# Altium PCB AMDC_uAMDC_Overlay.PcbDoc (part 3 of 6)
Units mil, origin at the board's own origin, x right, y up, seen from the top; angles counter-clockwise.
Board outline 4335 x 5120 mil, 6 copper layers (Top Layer, Int1 (GND), Int2 (Sign), Int3 (Sign), Int4 (PWR), Bottom Layer), stack 55.468 mil thick; 396 components, 471 nets, 2094 pads, 683 vias.
Unrouted connection lines stored in the file: 618.
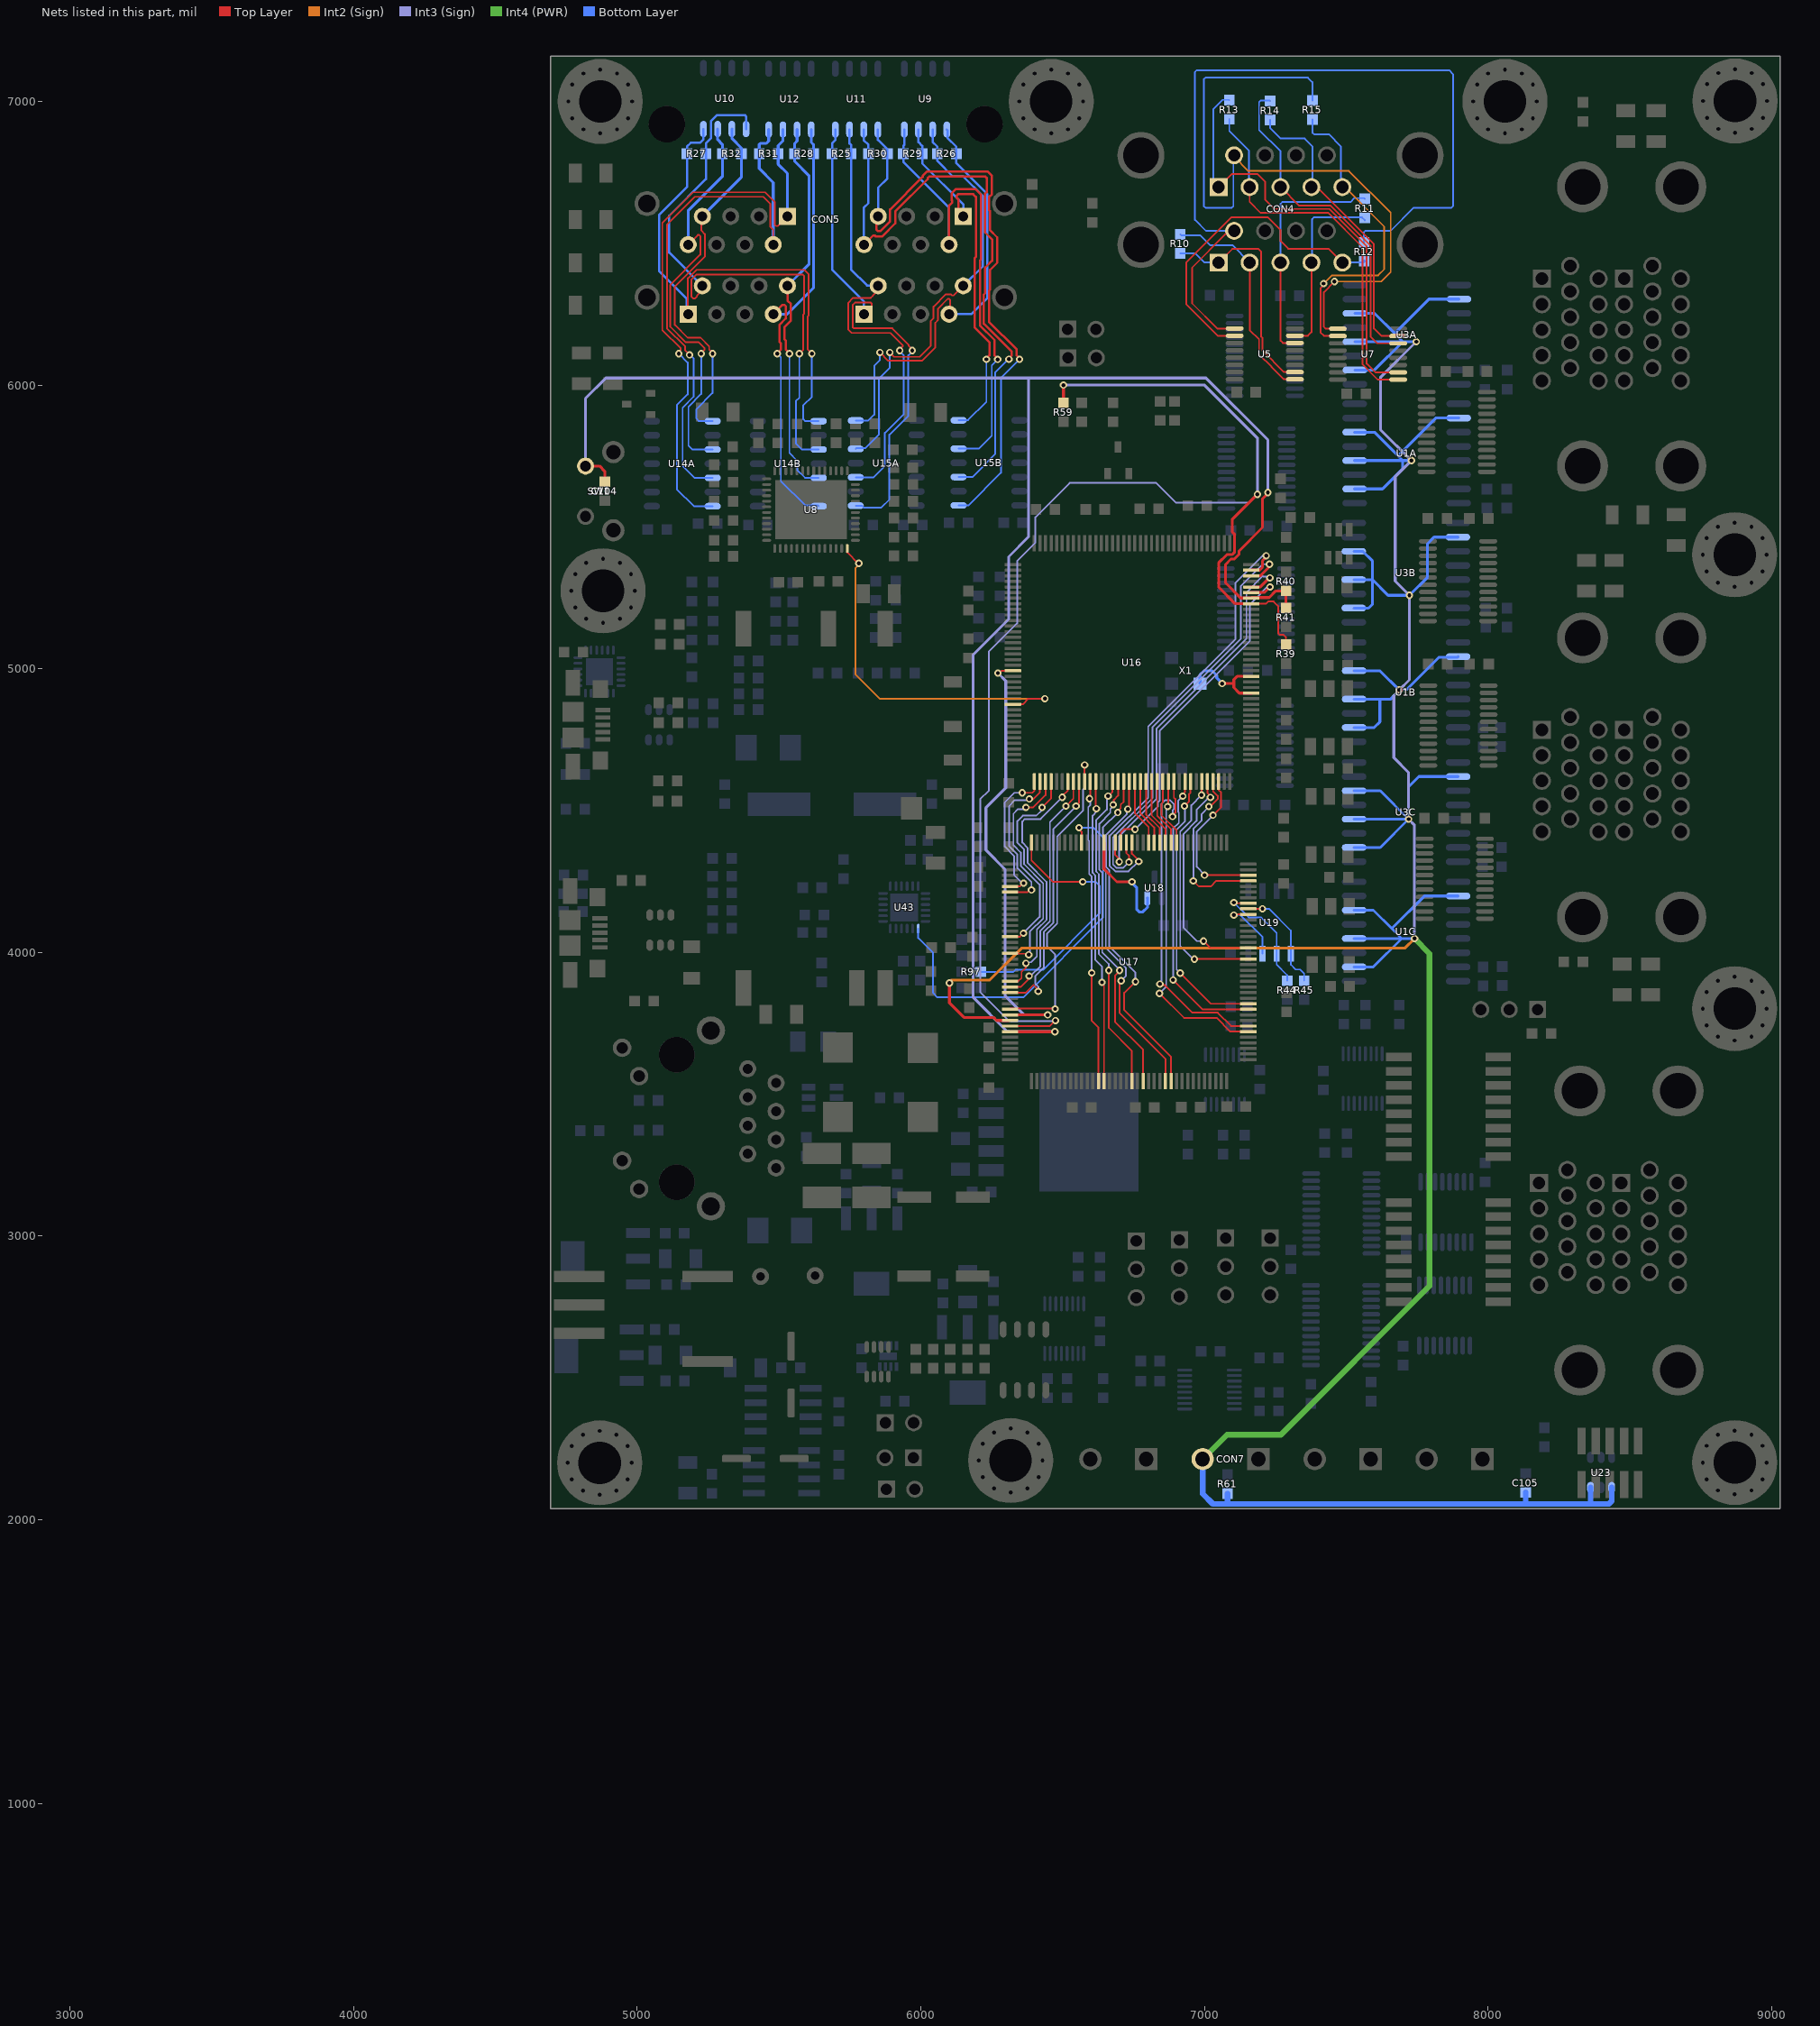
[diagram p6: the nets of this part, all layers, seen from the top]

## Via types
v1: diameter 26, hole 14, Top Layer to Bottom Layer, tented both sides, 326 vias
v2: diameter 26, hole 14, Top Layer to Bottom Layer, 288 vias
v3: diameter 24, hole 14, Top Layer to Bottom Layer, 57 vias
v4: diameter 24, hole 14, Top Layer to Bottom Layer, tented both sides, 5 vias
v5: diameter 19.68, hole 7.87, Top Layer to Bottom Layer, 4 vias
v6: diameter 60, hole 20, Top Layer to Bottom Layer, tented both sides, 3 vias

## Nets (pads, with @x,y where several pads share a name; then routed paths per layer and width w, separated by ;. In a path a pad name is that pad's centre, name@x,y a point inside that pad or via, vN(x,y) a via of type N, cw(c..) or ccw(c..) an arc to the next point about the centre after c; other vN are vias at no path point) (continued)
ADC_SDO8: U8.40 U16.134 | length 1292.5
  Top Layer w6: U8.40@5740.95,5424.19 5741.69,5423.45 5741.69,5409.29 5779.11,5371.87 v1(5782,5371.87) ; U16.134@6325,4874.94 6359.94,4874.94 6379.63,4894.63 v2(6437.76,4894.63)
  Int2 (Sign) w6: v1(5782,5371.87) 5782,5366.46 5769.3,5353.76 5769.3,4980.7 5855.37,4894.63 v2(6437.76,4894.63)
ANLG_N1: CON5.2A R25.1 U11.3 U15A.10 | length 1647
  Top Layer w6: CON5.2A@5850,6350 5850,6335.39 5831.18,6316.57 5831.18,6314.87 5823.49,6307.17 5761.82,6307.17 5744,6289.36 5744,6196.89 5756.89,6184 5893.11,6184 5937.17,6139.94 5937.17,6138.38 5926,6127.21 v1(5926,6121.8)
  Bottom Layer w6: U15A.10@5770.72,5675 5833.53,5675 5873.29,5714.76 5873.29,5831.8 5940,5898.51 5940,6104.69 5926,6118.69 v1(5926,6121.8)
  Bottom Layer w8: U11.3@5749,6900.72 5749,6852.19 5754.46,6846.72 R25.1@5754.46,6816 5754.46,6407.54 5811,6351 5849,6351 CON5.2A@5850,6350
ANLG_N2: CON5.8A R26.1 U9.2 U15A.12 | length 1529
  Top Layer w6: v1(5891,6115) 5891.14,6115 5906.34,6099.8 5995.69,6099.8 6035.31,6139.43 6035.31,6226.31 6045,6236 6045,6276.4 6088.5,6319.9 6106.72,6319.9 6110.83,6315.8 6115.8,6315.8 CON5.8A@6150,6350
  Bottom Layer w6: U15A.12@5770.72,5775 5774.09,5778.37 5805.37,5778.37 5852,5825 5852,6022 5891,6061 v1(5891,6115)
  Bottom Layer w8: U9.2@6042,6900.72 6042,6856.72 6058.54,6840.19 R26.1@6058.54,6816 6058.54,6790.46 6114,6735 6150.37,6735 6219,6666.37 6219,6419 CON5.8A@6150,6350
ANLG_N3: CON5.2B R27.1 U10.1 U14B.10 | length 2097.8
  Top Layer w6: CON5.2B@5230,6350 5230,6335.39 5211.18,6316.57 5211.18,6312.87 5203.49,6305.17 5198.51,6305.17 5191,6312.69 5191,6371.43 5209.88,6390.31 5215.54,6390.31 5583.37,6390.31 5588.5,6385.19 5588.5,6251.28 5586,6248.78 5586,6125 v2(5572,6111)
  Bottom Layer w6: v2(5572,6111) 5572,5955.79 5560,5943.79 5560,5794 5581,5773 U14B.10@5640.28,5773
  Bottom Layer w8: CON5.2B@5230,6350 5113,6467 5113,6597 5242.46,6726.46 R27.1@5242.46,6816 5242.46,6852.19 5261,6870.72 5261,6931 5281,6951 5380.49,6951 5384,6947.49 U10.1@5384,6902.72
ANLG_N4: CON5.8B R28.1 U12.2 U14B.12 | length 1376.7
  Top Layer w8: CON5.8B@5530,6350 5530,6298.08 5542.31,6285.77 5542.31,6227.46 5519.73,6204.88 5519.73,6160.93 5524.5,6156.16 5524.5,6124.69 5537,6112.19 v2(5537,6111)
  Bottom Layer w6: v2(5537,6111) 5537,5760.86 5564.5,5733.36 5564.5,5700.5 5592,5673 U14B.12@5640.28,5673
  Bottom Layer w10: CON5.8B@5530,6350 5606.46,6426.46 5606.46,6737.54 5555.54,6788.46 R28.1@5555.54,6816 5555.54,6852.19 5564,6860.65 U12.2@5564,6900.72
ANLG_N5: CON5.2C R29.1 U9.4 U15B.12 | length 1799.9
  Top Layer w8: CON5.2C@6100,6495 6100,6633 6110.96,6643.96 6110.96,6650.59 6109,6652.54 6109,6675.77 6124.23,6691 6192.46,6691 6212.71,6670.75 6212.71,6443.15 6208.71,6439.15 6208.71,6210.09 6260.3,6158.5 6260.3,6104.41 6271.16,6093.55 v1(6271.16,6090.73)
  Bottom Layer w6: U15B.12@6133.43,5776 6205.24,5776 6250.43,5821.19 6250.43,6070 v1(6271.16,6090.73)
  Bottom Layer w8: U9.4@5942,6900.72 5942,6846.72 5938.54,6843.26 R29.1@5938.54,6816 5938.54,6786.46 6100,6625 CON5.2C@6100,6495
ANLG_N6: CON5.8C R30.1 U11.2 U15B.10 | length 2207.9
  Top Layer w8: CON5.8C@5800,6495 5832.12,6527.12 5838.75,6527.12 5841.16,6524.71 5864.57,6524.71 5910,6570.15 5910,6611.57 6025,6726.57 6025,6730.31 6029.69,6735 6228.05,6735 6232.74,6730.31 6232.74,6680.2 6226.71,6674.17 6226.71,6538.29 6251.69,6513.31 6251.69,6438.8 6226.71,6413.82 6226.71,6323.59 6222.71,6319.59 6222.71,6215.89 6320.72,6117.88 6320.72,6104.92 6311.19,6095.4 v1(6311.19,6091.24)
  Bottom Layer w6: U15B.10@6133.43,5676 6181.9,5676 6262.43,5756.54 6262.43,6043.59 6309.85,6091 6310.96,6091 v1(6311.19,6091.24)
  Bottom Layer w8: U11.2@5799,6900.72 5799,6863.26 5815.54,6846.72 R30.1@5815.54,6816 5815.54,6641.54 5800,6626 CON5.8C@5800,6495
ANLG_N7: CON5.2D R31.1 U12.4 U14A.12 | length 2046.6
  Top Layer w6: v2(5184.63,6106.63) 5184.63,6107.06 5169.29,6122.4 5169.29,6136.11 5105,6200.4 5105,6565 5203.69,6663.69 5444.81,6663.69 5469,6639.5 5469,6559.33 5480,6548.33 CON5.2D@5480,6495
  Bottom Layer w6: v2(5184.63,6106.63) 5186.96,6106.63 5199,6094.59 5199,5959.01 5160.5,5920.51 5160.5,5714.89 5203,5672.39 5265.67,5672.39 U14A.12@5266.28,5673
  Bottom Layer w10: U12.4@5464,6900.72 5464,6860.65 5455.54,6852.19 5434.05,6852.19 5430.54,6848.67 R31.1@5430.54,6816 5430.54,6763.46 5480,6714 CON5.2D@5480,6495
ANLG_N8: CON5.8D R32.1 U10.3 U14A.10 | length 1496.8
  Top Layer w6: CON5.8D@5180,6495 5214.2,6529.2 5219.17,6529.2 5222.69,6525.69 5222.69,6459.69 5117,6354 5117,6205.37 5171.13,6151.24 5216.87,6151.24 5238,6130.11 5238,6124.51 5226,6112.51 v2(5226,6111)
  Bottom Layer w6: v2(5226,6111) 5226,5969.04 5181,5924.04 5181,5787.06 5195.06,5773 U14A.10@5266.28,5773
  Bottom Layer w10: CON5.8D@5180,6495 5180,6615 5300.54,6735.54 R32.1@5300.54,6816 5300.54,6848.67 5284,6865.21 U10.3@5284,6902.72
ANLG_P1: CON5.1A R25.2 U11.4 U15A.8 | length 1842
  Top Layer w6: CON5.1A@5800,6250 5827,6277 5827,6287.66 5823.49,6291.17 5768.44,6291.17 5760,6282.73 5760,6203.51 5763.51,6200 5899.74,6200 5957.33,6142.41 5957.33,6139.88 5970,6127.21 v1(5970,6121.8)
  Bottom Layer w6: U15A.8@5770.72,5575 5792.22,5575 5798.69,5568.53 5861.11,5568.53 5889.29,5596.7 5889.29,5825.17 5956,5891.88 5956,6104.69 5970,6118.69 v1(5970,6121.8)
  Bottom Layer w8: U11.4@5699,6900.72 5699,6863.65 5687.54,6852.19 R25.2@5687.54,6816 5687.54,6407.46 5800,6295 CON5.1A@5800,6250
ANLG_P2: CON5.7A R26.2 U9.1 U15A.14 | length 1590.6
  Top Layer w6: v1(5856,6115) 5885,6086 6004.51,6086 6051.31,6132.8 6051.31,6219.69 6061,6229.37 6061,6269.77 6095.13,6303.9 6100.1,6303.9 6103.61,6300.39 6103.61,6253.61 CON5.7A@6100,6250
  Bottom Layer w6: U15A.14@5770.72,5875 5815,5875 5836,5896 5836,6068.49 5856,6088.49 v1(5856,6115)
  Bottom Layer w8: U9.1@6092,6900.72 6095.37,6897.34 6095.37,6870.28 6125.46,6840.19 R26.2@6125.46,6816 6125.46,6782.54 6235,6673 6235,6307 6178,6250 CON5.7A@6100,6250
ANLG_P3: CON5.1B R27.2 U10.4 U14B.8 | length 1937.7
  Top Layer w6: CON5.1B@5180,6250 5179.24,6250.76 5179.24,6285.49 5179,6285.73 5179,6376.4 5208.91,6406.31 5590,6406.31 5604.5,6391.81 5604.5,6244.66 5602,6242.16 5602,6125 v2(5616,6111)
  Bottom Layer w6: v2(5616,6111) 5616,5959 5586,5929 5586,5880 5593,5873 U14B.8@5640.28,5873
  Bottom Layer w8: CON5.1B@5180,6250 5175,6255 5175,6304 5078,6401 5078,6601 5175.54,6698.54 R27.2@5175.54,6816 5175.54,6840.54 5189,6854 5221.65,6854 5234,6866.35 U10.4@5234,6902.72
ANLG_P4: CON5.7B R28.2 U12.1 U14B.14 | length 1610.6
  Top Layer w8: CON5.7B@5480,6250 5513,6283 5519.63,6283 5524.31,6278.31 5524.31,6234.92 5501.73,6212.33 5501.73,6152.34 5506.5,6147.57 5506.5,6124.69 5494,6112.19 v2(5494,6111)
  Bottom Layer w6: v2(5494,6111) 5494,6110.86 5507,6097.86 5507,5661.37 5592,5576.37 5636.91,5576.37 U14B.14@5640.28,5573
  Bottom Layer w10: CON5.7B@5480,6250 5529,6250 5622.46,6343.46 R28.2@5622.46,6816 5622.46,6846.72 5614,6855.19 U12.1@5614,6900.72
ANLG_P5: CON5.1C R29.2 U9.3 U15B.14 | length 1402.2
  Top Layer w8: CON5.1C@6150,6595 6132.27,6612.73 6132.27,6654.73 6127,6660 6127,6668.31 6131.69,6673 6185,6673 6194.71,6663.29 6194.71,6451.74 6190.71,6447.74 6190.71,6202.63 6242.3,6151.05 6242.3,6104.69 6231.43,6093.82 v1(6231.43,6091)
  Bottom Layer w6: U15B.14@6133.43,5876 6134.23,5876.8 6166.8,5876.8 6231.43,5941.43 v1(6231.43,6091)
  Bottom Layer w8: U9.3@5992,6900.72 5992,6856.72 6005.46,6843.26 R29.2@6005.46,6816 6005.46,6781.54 6150,6637 CON5.1C@6150,6595
ANLG_P6: CON5.7C R30.2 U11.1 U15B.8 | length 2255.4
  Top Layer w8: CON5.7C@5850,6595 5843.93,6588.93 5843.93,6547.4 5848.62,6542.71 5857.11,6542.71 5892,6577.6 5892,6619.02 6007,6734.02 6007,6737.77 6022.23,6753 6235.51,6753 6250.74,6737.77 6250.74,6672.74 6244.71,6666.71 6244.71,6666.49 6240.71,6662.49 6240.71,6617.51 6244.71,6613.51 6244.71,6545.75 6269.69,6520.77 6269.69,6431.35 6244.71,6406.37 6244.71,6336.49 6240.71,6332.49 6240.71,6223.35 6338.72,6125.33 6338.72,6104.5 6348.25,6094.97 v1(6348.25,6090.81)
  Bottom Layer w6: U15B.8@6133.43,5576 6167.93,5576 6282.93,5691 6282.93,6025.5 v1(6348.25,6090.81)
  Bottom Layer w8: U11.1@5849,6900.72 5849,6864.6 5882.46,6831.13 R30.2@5882.46,6816 5882.46,6728.46 5850,6696 CON5.7C@5850,6595
ANLG_P7: CON5.1D R31.2 U12.3 U14A.14 | length 2070.4
  Top Layer w6: v2(5147,6111) 5147,6116.41 5153.29,6122.7 5153.29,6129.49 5089,6193.77 5089,6571.63 5197.06,6679.69 5451.44,6679.69 5485,6646.13 5485,6565.96 5490.49,6560.46 5495.46,6560.46 CON5.1D@5530,6595
  Bottom Layer w6: v2(5147,6111) 5178.5,6079.5 5178.5,5967.5 5140,5929 5140,5633 5200,5573 U14A.14@5266.28,5573
  Bottom Layer w10: U12.3@5514,6900.72 5514,6860.65 5497.46,6844.12 R31.2@5497.46,6816 5497.46,6778.54 5530,6746 CON5.1D@5530,6595
ANLG_P8: CON5.7D R32.2 U10.2 U14A.8 | length 1308.5
  Top Layer w6: CON5.7D@5230,6595 5226.39,6591.39 5226.39,6544.61 5238.69,6532.31 5238.69,6453.06 5133,6347.37 5133,6212 5177.76,6167.24 5223.5,6167.24 5254,6136.74 5254,6124.51 5266,6112.51 v2(5266,6111)
  Bottom Layer w6: v2(5266,6111) 5266,5972 5209,5915 5209,5881.79 5217.79,5873 U14A.8@5266.28,5873
  Bottom Layer w10: CON5.7D@5230,6595 5367.46,6732.46 R32.2@5367.46,6816 5367.46,6836.11 5334.63,6868.94 5334.63,6902.08 U10.2@5334,6902.72
CDONE: R39.2 R59.2 U16.65 U17.66 | length 4928.1
  Top Layer w6: U17.66@6314.71,3740.54 6455.54,3740.54 v2(6475,3760) ; U16.65@7165.16,5229.28 7216.96,5229.28 7224.69,5237 7244.11,5237 7260,5221.11 7260,5125.41 7265.57,5119.83 7279.33,5119.83 7288,5111.17 R39.2@7288,5085.57
  Top Layer w10: R59.2@6503.25,5937.46 v1(6503.25,6000) ; U16.65@7165.16,5229.28 7109.25,5229.28 7050.2,5288.33 7050.2,5372.94 7079.98,5402.72 7098.83,5402.72 7106.08,5409.98 7106.08,5475.35 7097.97,5483.46 7097.97,5525.97 v1(7187,5615)
  Int3 (Sign) w6: v2(6475,3760) 6472.91,3757.91 6312.09,3757.91 6210,3860 6210,4540 6240,4570 6240,5060 6340,5160 6340,5380 6404.25,5444.25 6404.25,5534.25 6525,5655 6830,5655 6900,5585 7157,5585 v1(7187,5615)
  Int3 (Sign) w10: v1(6503.25,6000) 7001,6000 7187,5814 v1(7187,5615)
CONFIG_SPI5_MISO: U16.67 U17.20 | length 1223.7
  Top Layer w6: U17.20@6705.26,4387 6705.26,4423.59 6716.61,4434.94 6754.78,4434.94 v2(6755.36,4434.36)
  Top Layer w10: U16.67@7165.16,5268.65 7165.67,5269.16 7212.16,5269.16 v1(7231.52,5288.52)
  Int3 (Sign) w6: v2(6755.36,4434.36) 6836.72,4515.72 6836.72,4529.86 6843.13,4536.27 6843.13,4781.72 7160.54,5099.13 7160.54,5227.66 7174.93,5242.06 7221.53,5288.65 7231.38,5288.65 v1(7231.52,5288.52)
CONFIG_SPI5_MOSI: U16.68 U17.21 | length 1395.9
  Top Layer w6: U17.21@6685.57,4387 6685.57,4344.15 6700,4329.73 v2(6700,4320)
  Top Layer w10: U16.68@7165.16,5288.33 7165.67,5288.84 7197.9,5288.84 7229.57,5320.51 v1(7230.85,5320.51)
  Int3 (Sign) w6: v2(6700,4320) 6700,4410.11 6831.13,4541.24 6831.13,4788.65 7148.54,5106.06 7148.54,5269.16 7206.37,5326.99 7209.03,5324.34 7227.02,5324.34 v1(7230.85,5320.51)
CONFIG_SPI5_NSS: U16.71 U17.18 | length 1623.9
  Top Layer w6: U17.18@6744.63,4387 6744.63,4348 6768.78,4323.85 v1(6768.78,4320.42)
  Top Layer w10: U16.71@7165.16,5347.39 7165.67,5347.9 7195.18,5347.9 7205.09,5357.81 7205.09,5381.05 7218.03,5393.98 v1(7218.03,5398.31)
  Int3 (Sign) w6: v1(6768.78,4320.42) 6767.04,4320.42 6732.62,4286 6685.92,4286 6666,4305.92 6666,4410.06 6802,4546.06 6802,4795.94 7109.17,5103.1 7109.17,5302.11 7209.54,5402.49 7213.72,5398.31 v1(7218.03,5398.31)
CONFIG_SPI5_SCK: U16.70 U17.19 | length 1528.9
  Top Layer w6: U17.19@6724.94,4387 6724.94,4350.72 6734.08,4341.58 v2(6734.08,4318.57)
  Top Layer w10: U16.70@7165.16,5327.7 7165.67,5328.21 7198.12,5328.21 7226.62,5356.71 7226.62,5365.45 v1(7229.69,5368.51)
  Int3 (Sign) w6: v2(6734.08,4318.57) 6713.51,4298 6690.89,4298 6678,4310.89 6678,4405.09 6817.54,4544.62 6817.54,4794.5 7128.34,5105.3 7128.34,5291.18 7205.67,5368.51 v1(7229.69,5368.51)
CRESET_B: C104.2 R40.2 R41.1 SW1.1 U16.66 U17.67 | length 6516.9
  Top Layer w10: SW1.1@4818,5714.58 4867.42,5714.58 4886,5696 C104.2@4886,5659.46 ; U17.67@6314.71,3720.86 v2(6473.09,3720.86) ; v1(7224.03,5621.4) 7224.03,5618.09 7205,5599.06 7205,5498.06 7122.08,5415.13 7122.08,5403.35 7105.46,5386.72 7093.67,5386.72 7074.49,5367.54 7074.49,5303.32 7128.34,5249.47 7164.65,5249.47 U16.66@7165.16,5248.96 7167.2,5251 7228.66,5251 7252.21,5274.55 R40.2@7288,5274.55 R41.1@7288,5214.46
  Int3 (Sign) w10: SW1.1@4818,5714.58 4818,5953 4890,6025 6380,6025 ; v2(6473.09,3720.86) 6305.28,3720.86 6185,3841.14 6185,5050 6310,5175 6310,5395 6380,5465 6380,6025 ; v1(7224.03,5621.4) 7224.03,5806.97 7006,6025 6380,6025
DRIVE_EN: C105.2 CON7.2 R61.2 U1A.2 U1A.4 U1A.6 U1A.10 U1B.2 U1B.4 U1B.6 U1B.10 U1C.2 U1C.4 U1C.6 U1C.10 U3A.2 U3A.4 U3A.6 U3A.10 U3B.2 U3B.4 U3B.6 U3B.10 U3C.2 U3C.4 U3C.6 U3C.10 U17.65 U23.1 U23.3 | length 13723.2
  Top Layer w10: v1(6101.24,3892.46) 6101.01,3892.23 6101.01,3822.53 6152.55,3771 6256.6,3771 6267.37,3760.23 U17.65@6314.71,3760.23
  Int4 (PWR) w20: CON7.2@6994,2214 7080,2300 7270,2300 7794,2824 7794,3996 v2(7741,4049)
  Int2 (Sign) w10: v1(6101.24,3892.46) 6101.24,3896.68 6107.1,3902.54 6243.14,3902.54 6356.57,4015.96 7707.96,4015.96 v2(7741,4049)
  Int3 (Sign) w10: v2(7741,4049) 7741,4449 v2(7720,4470) 7720,4634.66 7668,4686.66 7668,4904.4 7687,4923.4 v2(7687,4925) 7723,4961 v2(7723,5259) 7673,5309 7673,5677 v1(7730,5734) 7621,5843 7621,6027 v1(7747,6153)
  Bottom Layer w10: U3B.2@7527,5214 7527.31,5213.69 7578.75,5213.69 7593,5227.94 7593,5314 ; U3B.4@7527,5314 7593,5314 ; U3B.6@7527,5414 7558.5,5414 7593,5379.5 7593,5314 ; U3C.2@7528,4370 7620,4370 v2(7720,4470) ; U3C.4@7528,4470 v2(7720,4470) ; U3C.6@7528,4570 7620,4570 v2(7720,4470) ; U1B.2@7528,4793 7599.13,4793 7619,4812.87 7619,4893 ; U1B.4@7528,4893 7619,4893 ; U1B.6@7528,4993 7619,4993 v2(7687,4925) ; U1C.2@7528.07,3949 7596,3949 7696,4049 ; U1C.4@7528.07,4049 7696,4049 ; U1C.6@7528.07,4149 7596,4149 7661,4084 ; U1A.2@7530,5634 7628,5634 7699.25,5705.25 7699.25,5734 ; U1A.4@7530,5734 7699.25,5734 ; U1A.6@7530,5834 7600,5834 7682,5752 ; U3A.2@7531,6053 7600,6053 7700,6153 ; U3A.4@7531,6153 7700,6153 ; U3A.6@7531,6253 7600,6253 7671,6182 ; v1(7730,5734) 7699.25,5734 ; v2(7741,4049) 7696,4049 ; v1(7747,6153) 7700,6153 ; U3B.10@7893.93,5464 7810,5464 7787,5441 7787,5323 v2(7723,5259) 7648,5259 7593,5314 ; U3C.10@7894.93,4620 7756.3,4620 7720,4583.7 v2(7720,4470) ; U1B.10@7894.93,5043 7892.93,5041 7827.9,5041 7714.96,4928.06 7690.06,4928.06 v2(7687,4925) ; U1C.10@7895,4199 7776,4199 7661,4084 ; U1A.10@7896.93,5884 7816,5884 7684,5752 7682,5752 ; U3A.10@7897.93,6303 7792,6303 7671,6182 ; 7619,4893 7657,4893 7687,4923 v2(7687,4925) ; 7661,4084 7696,4049 ; 7671,6182 7700,6153 ; 7682,5752 7699.25,5734.75 7699.25,5734
  Bottom Layer w20: CON7.2@6994,2214 6994,2092 7030,2056 7082,2056 ; R61.2@7082,2092.54 7082,2056 ; C105.2@8133,2096.54 8133,2056 ; U23.3@8361.6,2113.85 8361.6,2056 ; U23.1@8436.4,2113.85 8436.4,2066.4 8426,2056 8361.6,2056 ; 7082,2056 8133,2056 ; 8133,2056 8361.6,2056
DSP_CLK: U17.23 U18.2 | length 400.2
  Top Layer w10: U17.23@6646.2,4387 6646.2,4294.53 6691.74,4248.99 v2(6744.63,4248.99)
  Bottom Layer w10: v2@6747.46,4246.16 v2(6744.63,4248.99) 6744.63,4244.66 6761.83,4227.46 6761.83,4150.97 6769.86,4142.94 6782.94,4142.94 6800,4160 6800,4191.08 U18.2@6798.84,4192.24
EEPROM_SCL: R45.1 U17.136 U19.5 | length 387.4
  Top Layer w6: U17.136@7154.87,4153.93 7154.9,4153.96 v2(7205,4154) v2(7205,4154)
  Bottom Layer w6: v2(7205,4154) 7228.14,4154 7305,4077.14 U19.5@7305,3996 7305,3957.08 7322.08,3940 7337.94,3940 7352,3925.94 R45.1@7352,3900.46
EEPROM_SDA: R44.1 U17.137 U19.6 | length 430.3
  Top Layer w6: v2(7104.08,4175.93) 7106.39,4173.61 U17.137@7154.87,4173.61
  Bottom Layer w6: v2(7104.08,4175.93) 7156.15,4123.86 7199.26,4123.86 7255,4068.11 U19.6@7255,3996 7255,3957.08 7292,3920.08 R44.1@7292,3900.46
EEPROM_WC_N: U17.135 U19.7 | length 243.8
  Top Layer w6: v2(7104.08,4131.93) 7106.39,4134.24 U17.135@7154.87,4134.24
  Bottom Layer w6: v2(7104.08,4131.93) 7105.07,4132.92 7126.08,4132.92 7205,4054 U19.7@7205,3996
ENC_1A: CON4.1T R10.2 U5.2 | length 819.6
  Top Layer w6: CON4.1T@7050.47,6432.05 7098.43,6480 7191.49,6480 7200.02,6471.46 7200.02,6170.86 7205,6165.89 7205,6121.32 7280.3,6046.02 U5.2@7319.3,6046.02
  Bottom Layer w6: R10.2@6915,6464.54 6967.46,6464.54 6999.95,6432.05 CON4.1T@7050.47,6432.05
ENC_1A\: CON4.2T R10.1 U5.1 | length 786.3
  Top Layer w6: CON4.2T@7159.53,6432.05 7160,6431.57 7160,6193.92 7193,6160.92 7193,6108.12 7237,6064.12 7237,6063.73 7280.3,6020.43 U5.1@7319.3,6020.43
  Bottom Layer w6: R10.1@6915,6531.46 6918.46,6528 6985,6528 7019.95,6493.06 7098.52,6493.06 CON4.2T@7159.53,6432.05
ENC_1B: CON4.3T R11.2 U5.6 | length 843.1
  Top Layer w6: CON4.3T@7268.58,6432.05 7268.58,6156.62 7276.82,6148.39 U5.6@7319.3,6148.39
  Bottom Layer w6: CON4.3T@7268.58,6432.05 7269,6432.46 7269,6639.14 7274.86,6645 7515,6645 7529,6659 7563.46,6659 R11.2@7566,6656.46
ENC_1B\: CON4.4T R11.1 U5.7 | length 656.3
  Top Layer w6: U5.7@7319.3,6173.98 7365.35,6173.98 7378,6186.63 7378,6431.69 CON4.4T@7377.64,6432.05
  Bottom Layer w6: CON4.4T@7377.64,6432.05 7380,6434.41 7380,6585.14 7385.86,6591 7555.54,6591 R11.1@7566,6580.54
ENC_1Z: CON4.5T R12.2 U5.10 | length 1163
  Top Layer w6: U5.10@7106.7,6173.98 7047.02,6173.98 6936,6285 6936,6432.13 7094.87,6591 7224.18,6591 7268.58,6546.6 7268.58,6507.42 7295.52,6480.48 7438.26,6480.48 CON4.5T@7486.69,6432.05
  Bottom Layer w6: CON4.5T@7486.69,6432.05 R12.2@7558.98,6432.05
  Bottom Layer w10: CON4.5T@7486.69,6432.05 CON4.5T@7495,6440.35 ; R12.2@7558.98,6432.05 R12.2@7563.46,6436.54 ; R12.2@7562,6439 R12.2@7564.46,6436.54
ENC_1Z\: CON4.6T R12.1 U5.9 | length 2962.1
  Top Layer w6: CON4.6T@7105,6543.86 7094.1,6532.95 7075.66,6532.95 6957,6414.29 6957,6288 7045.43,6199.57 U5.9@7106.7,6199.57
  Bottom Layer w6: CON4.6T@7105,6543.86 7005.28,6543.86 6967,6582.14 6967,7104.14 6972.86,7110 7863,7110 7877,7096 7877,6630.86 7871.14,6625 7738,6625 7656.86,6543.86 7567.86,6543.86 7562,6538 7562,6504.93 R12.1@7563.46,6503.46
ENC_2A: CON4.1B R13.2 U7.2 | length 1573.5
  Top Layer w6: CON4.1B@7050.47,6698.19 7096.28,6744 7188,6744 7214.06,6717.94 7214.06,6654.17 7247.47,6620.76 7440.3,6620.76 7572.5,6488.55 7572.5,6075.49 7602.97,6045.02 U7.2@7683.3,6045.02
  Bottom Layer w6: CON4.1B@7050.47,6698.19 7032,6716.66 7032,6973.74 7063.81,7005.56 7086.91,7005.56 R13.2@7088,7004.46
ENC_2A\: CON4.2B R13.1 U7.1 | length 1346.4
  Top Layer w6: CON4.2B@7159.53,6698.19 7159.53,6646.02 7198.54,6607 7437.09,6607 7557.46,6486.62 7557.46,6073.56 7611.59,6019.43 U7.1@7683.3,6019.43
  Bottom Layer w6: R13.1@7088,6937.54 7088,6896.61 7157,6827.61 7157,6700.72 CON4.2B@7159.53,6698.19
ENC_2B: CON4.3B R14.2 U7.6 | length 1203.7
  Top Layer w6: CON4.3B@7268.58,6698.19 7334.01,6632.76 7445.27,6632.76 7586,6492.03 7586,6171.39 7610,6147.39 U7.6@7683.3,6147.39
  Bottom Layer w6: R14.2@7232,7001.46 7230,7003.46 7198.86,7003.46 7193,6997.61 7193,6899.23 7268.58,6823.65 CON4.3B@7268.58,6698.19
ENC_2B\: CON4.4B R14.1 U7.7 | length 1046.9
  Top Layer w6: CON4.4B@7377.64,6698.19 7388.54,6687.28 7407.72,6687.28 7598,6497 7598,6199.5 7624.52,6172.98 U7.7@7683.3,6172.98
  Bottom Layer w6: R14.1@7232,6934.54 7232,6905.72 7268.58,6869.14 7353.86,6869.14 7381,6842 7381,6701.55 CON4.4B@7377.64,6698.19
ENC_2Z: CON4.5B R15.2 U7.10 | length 1145.8
  Top Layer w6: v1(7420.69,6357.8) 7420.69,6352.39 7409.5,6341.2 7409.5,6185.98 7421.65,6173.83 7469.85,6173.83 U7.10@7470.7,6172.98
  Int2 (Sign) w6: v1(7420.69,6357.8) 7449.89,6387 7613,6387 7634,6408 7634,6559 7494.81,6698.19 CON4.5B@7486.69,6698.19
  Bottom Layer w6: R15.2@7381,6936.54 7381,6889.86 7386.86,6884 7439,6884 7481,6842 7481,6703.88 CON4.5B@7486.69,6698.19
ENC_2Z\: CON4.6B R15.1 U7.9 | length 2489.4
  Top Layer w6: v1(7459,6365) 7421.5,6327.5 7421.5,6205.37 7428.3,6198.57 U7.9@7470.7,6198.57
  Top Layer w10: CON4.6B@7099,6804 CON4.6B@7105,6810
  Int2 (Sign) w6: CON4.6B@7105,6810 7105,6805 7155,6755 7510,6755 7656.86,6608.14 7656.86,6397.71 7624.15,6365 v1(7459,6365)
  Bottom Layer w6: CON4.6B@7105,6810 7102.57,6807.57 7102.57,6630.86 7096.72,6625 7003.86,6625 6998,6630.86 6998,7078.14 7003.86,7084 7365,7084 7381,7068 R15.1@7381,7003.46
ETH_MDC: U17.27 U43.13 | length 1408.6
  Top Layer w6: v2(6558.07,4439.71) 6558.07,4434.29 6567.43,4424.94 6567.43,4387.04 U17.27@6567.46,4387
  Bottom Layer w6: U43.13@5991.21,4084.2 5991.21,4050.67 6043.51,3998.37 6043.51,3857.52 6059.03,3842 6361.14,3842 6643,4123.86 6643,4406 6609.29,4439.71 v2(6558.07,4439.71)
ETH_MDIO: R97.1 U17.36 | length 942.8
  Top Layer w6: U17.36@6390.3,4387 6390.3,4324.66 6465.97,4248.99 v2(6571,4248.99)
  Bottom Layer w6: R97.1@6211.46,3932 6212.46,3931 6326,3931 6334,3939 6432.03,3939 6631,4137.97 6631,4234.93 6616.94,4248.99 v2(6571,4248.99)
EXTRA_SPI6_MISO: U16.2 U17.42 | length 575.3
  Top Layer w6: U17.42@6314.71,4212.98 6377.87,4212.98 6384.89,4220 v2(6390.3,4220) ; v2(6383.04,4541) 6384.87,4539.17 6395.16,4539.17 6420.28,4564.29 U16.2@6420.28,4602.5
  Int3 (Sign) w6: v2(6383.04,4541) 6378.8,4536.76 6332.22,4536.76 6311.99,4516.52 6311.99,4374.17 6340.67,4345.49 6340.67,4297.33 6390.3,4247.7 v2(6390.3,4220)
EXTRA_SPI6_MOSI: U16.32 U17.129 | length 819.6
  Top Layer w6: v1(6997,4039.96) 7020.83,4016.13 U17.129@7154.87,4016.13 ; U16.32@7010.83,4602.5 7010.83,4562.6 7021.51,4551.92 v2(7021.51,4546.51)
  Int3 (Sign) w6: v1(6997,4039.96) 6973.17,4039.96 6927,4086.13 6927,4418.47 6972.46,4463.92 6972.46,4502.31 7016.65,4546.51 v2(7021.51,4546.51)
EXTRA_SPI6_NSS: U16.16 U17.93 | length 1160.2
  Top Layer w6: v2(6678.5,4520.92) 6681,4523.42 6681,4538 6695.87,4552.87 U16.16@6695.87,4602.5 ; v2(6700.99,3936.76) 6700.99,3933.99 6684.78,3917.78 6684.78,3756.22 6784,3657 U17.93@6784,3546.84
  Int3 (Sign) w6: v2(6678.5,4520.92) 6678.5,4515.5 6668.5,4505.5 6668.5,4492.5 6630,4454 6630,4291.01 6640,4281.01 6640,4001 6700.99,3940.01 v2(6700.99,3936.76)
EXTRA_SPI6_SCK: U16.1 U17.41 | length 522.3
  Top Layer w6: U17.41@6314.71,4232.67 6349.75,4232.67 6361.46,4244.38 v1(6362.5,4244.38) ; v2(6358,4563) 6393.24,4563 6401.11,4570.87 6401.11,4601.98 U16.1@6400.59,4602.5
  Int3 (Sign) w6: v2(6358,4563) 6329.46,4563 6296,4529.54 6296,4373.19 6328.67,4340.52 6328.67,4273.33 6357.62,4244.38 v1(6362.5,4244.38)
FMC_A0: U16.24 U17.10 | length 239.5
  Top Layer w6: U16.24@6853.35,4602.5 6853.35,4528.05 6848.72,4523.42 6848.72,4484.25 6902.11,4430.86 U17.10@6902.11,4387
FMC_A1: U16.23 U17.11 | length 235.7
  Top Layer w6: U16.23@6833.66,4602.5 6833.66,4482.34 6882.43,4433.57 U17.11@6882.43,4387
FMC_A2: U16.22 U17.12 | length 235.7
  Top Layer w6: U16.22@6813.98,4602.5 6813.98,4484.21 6862.74,4435.45 U17.12@6862.74,4387
FMC_A3: U16.21 U17.13 | length 235.7
  Top Layer w6: U16.21@6794.29,4602.5 6794.29,4486.93 6843.06,4438.16 U17.13@6843.06,4387
FMC_A4: U16.20 U17.14 | length 235.7
  Top Layer w6: U16.20@6774.61,4602.5 6774.61,4489.64 6823.37,4440.88 U17.14@6823.37,4387
FMC_A5: U16.19 U17.15 | length 235.7
  Top Layer w6: U16.19@6754.92,4602.5 6754.92,4490.72 6803.69,4441.96 U17.15@6803.69,4387
FMC_A6: U16.3 U17.50 | length 725.7
  Top Layer w6: U17.50@6314.71,4055.5 6314.96,4055.75 6349.66,4055.75 6361.91,4068 v1(6362.42,4068) ; v2(6371.05,4511.33) 6396.75,4511.33 6439.96,4554.55 U16.3@6439.96,4602.5
  Int3 (Sign) w6: v1(6362.42,4068) 6419.68,4125.26 6419.68,4239.05 6352.67,4306.06 6352.67,4352.33 6327,4378 6327,4489 6343,4505 6367.53,4505 6371.05,4508.51 v2(6371.05,4511.33)
FMC_A7: U16.4 U17.53 | length 814.4
  Top Layer w6: U17.53@6314.71,3996.45 6315.54,3995.61 6377.49,3995.61 6377.49,3995.48 v2(6381.01,3991.96) ; v2(6427.86,4511.33) 6459.65,4543.12 U16.4@6459.65,4602.5
  Int3 (Sign) w6: v2(6381.01,3991.96) 6384.42,3995.37 6384.42,4073.03 6431.68,4120.29 6431.68,4244.02 6364.67,4311.03 6364.67,4363 6340.67,4387 6340.67,4463.29 6359.82,4482.44 6407.11,4482.44 6427.86,4503.19 v2(6427.86,4511.33)
FMC_D0: U16.11 U17.85 | length 1075.1
  Top Layer w6: v2(6595.13,4542.39) 6597.44,4544.7 U16.11@6597.44,4602.5 ; v2(6603,3928) 6603,3758.81 6626.52,3735.29 U17.85@6626.52,3546.84
  Int3 (Sign) w6: v2(6595.13,4542.39) 6597.44,4540.07 6597.44,4518.94 6590.81,4512.31 6590.81,4395.79 6594,4392.61 6594,4276.09 6603,4267.09 v2(6603,3928)
FMC_D1: U16.12 U17.86 | length 1078.8
  Top Layer w6: U16.12@6617.13,4602.5 6617.13,4508.94 v2(6619.4,4506.67) ; v2(6639,3894.75) 6639,3890.42 6646.2,3883.21 U17.86@6646.2,3546.84
  Int3 (Sign) w6: v2(6619.4,4506.67) 6619.44,4506.63 6619.44,4495.93 6606,4482.49 6606,4281.06 6615,4272.06 6615,3975 6639,3951 v2(6639,3894.75)
FMC_D2: U16.25 U17.114 | length 1128.2
  Top Layer w6: v2(6842,3856) 6928.38,3769.62 7043.15,3769.62 7091.91,3720.86 U17.114@7154.87,3720.86 ; v2(6870.72,4514.55) 6873.03,4516.86 U16.25@6873.03,4602.5
  Int3 (Sign) w6: v2(6842,3856) 6865.53,3879.53 6865.53,4501.03 6866.89,4502.4 6866.89,4510.72 v2(6870.72,4514.55)
FMC_D3: U16.26 U17.115 | length 1240.7
  Top Layer w6: v2(6843.53,3888.64) 6847.35,3884.81 6861.19,3884.81 6958.4,3787.6 7047.01,3787.6 7094.06,3740.54 U17.115@7154.87,3740.54 ; v2(6888.09,4479.06) 6888.09,4482.77 6897.89,4492.58 6897.89,4540.88 6892.72,4546.05 U16.26@6892.72,4602.5
  Int3 (Sign) w6: v2(6843.53,3888.64) 6843.53,3894.05 6848.72,3899.24 6848.72,4523.66 6861.6,4536.55 6879.83,4536.55 6892.72,4523.66 6892.72,4505.44 6888.34,4501.06 6888.34,4479.32 v2(6888.09,4479.06)
FMC_D4: U16.7 U17.58 | length 918.2
  Top Layer w6: U17.58@6314.71,3898.02 6343.49,3898 6355.33,3909.84 6355.33,3931.33 6371,3947 6371,3961.48 v2(6370.87,3961.61) ; v2(6499.02,4546.85) 6499.02,4551.19 6518.7,4570.87 U16.7@6518.7,4602.5
  Int3 (Sign) w6: v2(6370.87,3961.61) 6374.7,3965.43 6389.44,3965.43 6409.68,3985.68 6409.68,4081.32 6443.68,4115.32 6443.68,4248.99 6376.67,4316 6376.67,4368.84 6358,4387.51 6358,4461.47 6366.97,4470.44 6422.61,4470.44 v2(6499.02,4546.85)
FMC_D5: U16.8 U17.59 | length 841.9
  Top Layer w6: U17.59@6314.71,3878.34 6352.65,3878.34 6378.17,3903.87 6378.17,3913.12 v2(6382,3916.95) ; v2(6512,4516) 6538.39,4542.39 U16.8@6538.39,4602.5
  Int3 (Sign) w6: v2(6382,3916.95) 6382.76,3917.71 6387.65,3917.71 6421.68,3951.73 6421.68,4076.35 6455.68,4110.35 6455.68,4459.68 6490.99,4494.99 v2(6512,4516)
FMC_D6: U16.9 U17.60 | length 931.4
  Top Layer w6: U17.60@6314.71,3858.65 6370.75,3858.65 6397.56,3885.46 6410.73,3872.3 6410.73,3866.48 6414.24,3862.97 v2(6414.56,3862.97) ; v2(6547.78,4516) 6558.07,4526.29 U16.9@6558.07,4602.5
  Int3 (Sign) w6: v2(6414.56,3862.97) 6414.56,3878.86 6404,3889.41 6404,3917.08 6433.68,3946.76 6433.68,4071.38 6467.68,4105.38 6467.68,4435.9 v2(6547.78,4516)
FMC_D7: U16.10 U17.63 | length 1145.8
  Top Layer w6: U17.63@6314.71,3799.6 6317.02,3801.91 6473.09,3801.91 v2(6474,3801) ; U16.10@6577.76,4602.5 v2(6577.76,4661.13)
  Int3 (Sign) w6: v2(6474,3801) 6474,3992.37 6445.68,4020.7 6445.68,4066.41 6481,4101.73 6481,4408.71 6572.83,4500.54 6572.83,4575.67 6577.76,4580.59 v2(6577.76,4661.13)
FMC_NBL0: U16.33 U17.141 | length 605.4
  Top Layer w6: v2(6961.17,4252.35) 6980.85,4232.67 7022.67,4232.67 7042.35,4252.35 U17.141@7154.87,4252.35 ; v2(7015.81,4514.55) 7020.66,4514.55 7047,4540.89 7047,4552.13 7030.75,4568.38 7030.75,4602.26 U16.33@7030.51,4602.5
  Int3 (Sign) w6: v2(6961.17,4252.35) 6961.17,4435.66 6990.72,4465.22 6990.72,4488.27 7015.81,4513.35 v2(7015.81,4514.55)
FMC_NBL1: U16.34 U17.142 | length 535.3
  Top Layer w6: v2(7000.54,4272.73) 7001.01,4273.2 7153.71,4273.2 U17.142@7154.87,4272.04 ; v2(7030.51,4484) 7059,4512.49 7059,4564.08 7050.25,4572.83 7050.25,4602.45 U16.34@7050.2,4602.5
  Int3 (Sign) w6: v2(7000.54,4272.73) 7000.54,4274.35 6973.17,4301.72 6973.17,4425.65 7030.51,4483 v2(7030.51,4484)
FMC_NE1: U16.17 U17.97 | length 1195.6
  Top Layer w6: v2(6694.85,4493.41) 6694.85,4498.82 6705.26,4509.23 6705.26,4521.26 6715.55,4531.55 U16.17@6715.55,4602.5 ; v2(6706.78,3900) 6701.5,3894.72 6701.5,3786.44 6862.74,3625.2 U17.97@6862.74,3546.84
  Int3 (Sign) w6: v2(6694.85,4493.41) 6642,4440.56 6642,4295.98 6652.73,4285.24 6652.73,4016.13 6723.24,3945.63 6723.24,3916.45 v2(6706.78,3900)
FMC_NE2: U16.18 U17.98 | length 1216.8
  Top Layer w6: v2(6730.22,4505.39) 6733.73,4508.9 6734.08,4508.9 6734.08,4601.35 U16.18@6735.24,4602.5 ; v2(6757,3897) 6717.5,3857.5 6717.5,3797.17 6882.43,3632.25 U17.98@6882.43,3546.84
  Int3 (Sign) w6: v2(6730.22,4505.39) 6726.75,4501.92 6726.75,4487.78 6654,4415.03 6654,4300.95 6664.73,4290.21 6664.73,4021.1 6757,3928.84 v2(6757,3897)
FMC_NE3: U16.15 U17.91 | length 1132.9
  Top Layer w6: v2(6660.81,4551.19) 6661.91,4551.19 6676.18,4565.46 U16.15@6676.18,4602.5 ; v2(6663,3937) 6663,3734.39 6744.63,3652.76 U17.91@6744.63,3546.84
  Int3 (Sign) w6: v2(6660.81,4551.19) 6656.98,4547.36 6656.98,4530.52 6656.5,4530.03 6656.5,4503.86 6618,4465.37 6618,4286.03 6628,4276.03 6628,3994.29 6663,3959.29 v2(6663,3937)
FMC_NE4: U16.31 U17.127 | length 870.1
  Top Layer w6: v2(6965,3976.76) U17.127@7154.87,3976.76 ; v2(6990,4555) 6990.57,4555.57 6990.57,4601.93 U16.31@6991.14,4602.5
  Int3 (Sign) w6: v2(6965,3976.76) 6961.19,3976.76 6915,4022.95 6915,4426.13 6954.09,4465.22 6954.09,4519.09 v2(6990,4555)
FMC_NOE: U16.28 U17.118 | length 1027
  Top Layer w6: v2(6890,3902.86) 6993.26,3799.6 U17.118@7154.87,3799.6 ; v2(6924,4551.13) 6923.22,4551.9 6923.22,4556.87 6932.09,4565.73 U16.28@6932.09,4602.5
  Int3 (Sign) w6: v2(6890,3902.86) 6890,4437.05 6910.09,4457.13 6910.09,4492.47 6908.09,4494.47 6908.09,4535.21 v2(6924,4551.13)
FMC_NWE: U16.29 U17.119 | length 987.6
  Top Layer w6: v2(6915,3927) 7022.72,3819.28 U17.119@7154.87,3819.28 ; v2(6930.09,4515.9) 6930.09,4517.19 6946,4533.1 6946,4558.66 6950.86,4563.52 6950.86,4601.59 U16.29@6951.77,4602.5
  Int3 (Sign) w6: v2(6915,3927) 6915,3927.14 6902,3940.14 6902,4432.08 6932.09,4462.16 6932.09,4513.9 v2(6930.09,4515.9)
FPGA_CLK: U16.49 U16.52 X1.3 | length 343.4
  Top Layer w10: v1(7062.93,4947.97) 7103.95,4947.97 ; U16.49@7165.16,4914.31 7123.63,4914.31 7103.95,4934 7103.95,4947.97 ; U16.52@7165.16,4973.37 7115.37,4973.37 7103.95,4961.95 7103.95,4947.97
  Bottom Layer w10: X1.3@6985,4948 6985,4979 6999,4993 7027.64,4993 7043.76,4976.88 7043.76,4968.39 7062.93,4949.22 v1(7062.93,4947.97)
FPGA_NRST: U16.128 U17.64 | length 1572.7
  Top Layer w6: v1(6272.09,4984.78) 6277.32,4984.78 6285.6,4993.06 U16.128@6325,4993.06
  Top Layer w10: U17.64@6314.71,3779.91 v2(6447.39,3779.91)
  Int3 (Sign) w10: v1(6272.09,4984.78) 6300,4956.86 6300,4580 6230,4510 6230,4360.83 6297.17,4293.66 6297.17,3847.83 6365.09,3779.91 v2(6447.39,3779.91)